# KiCad board pandore.kicad_pcb (continued)
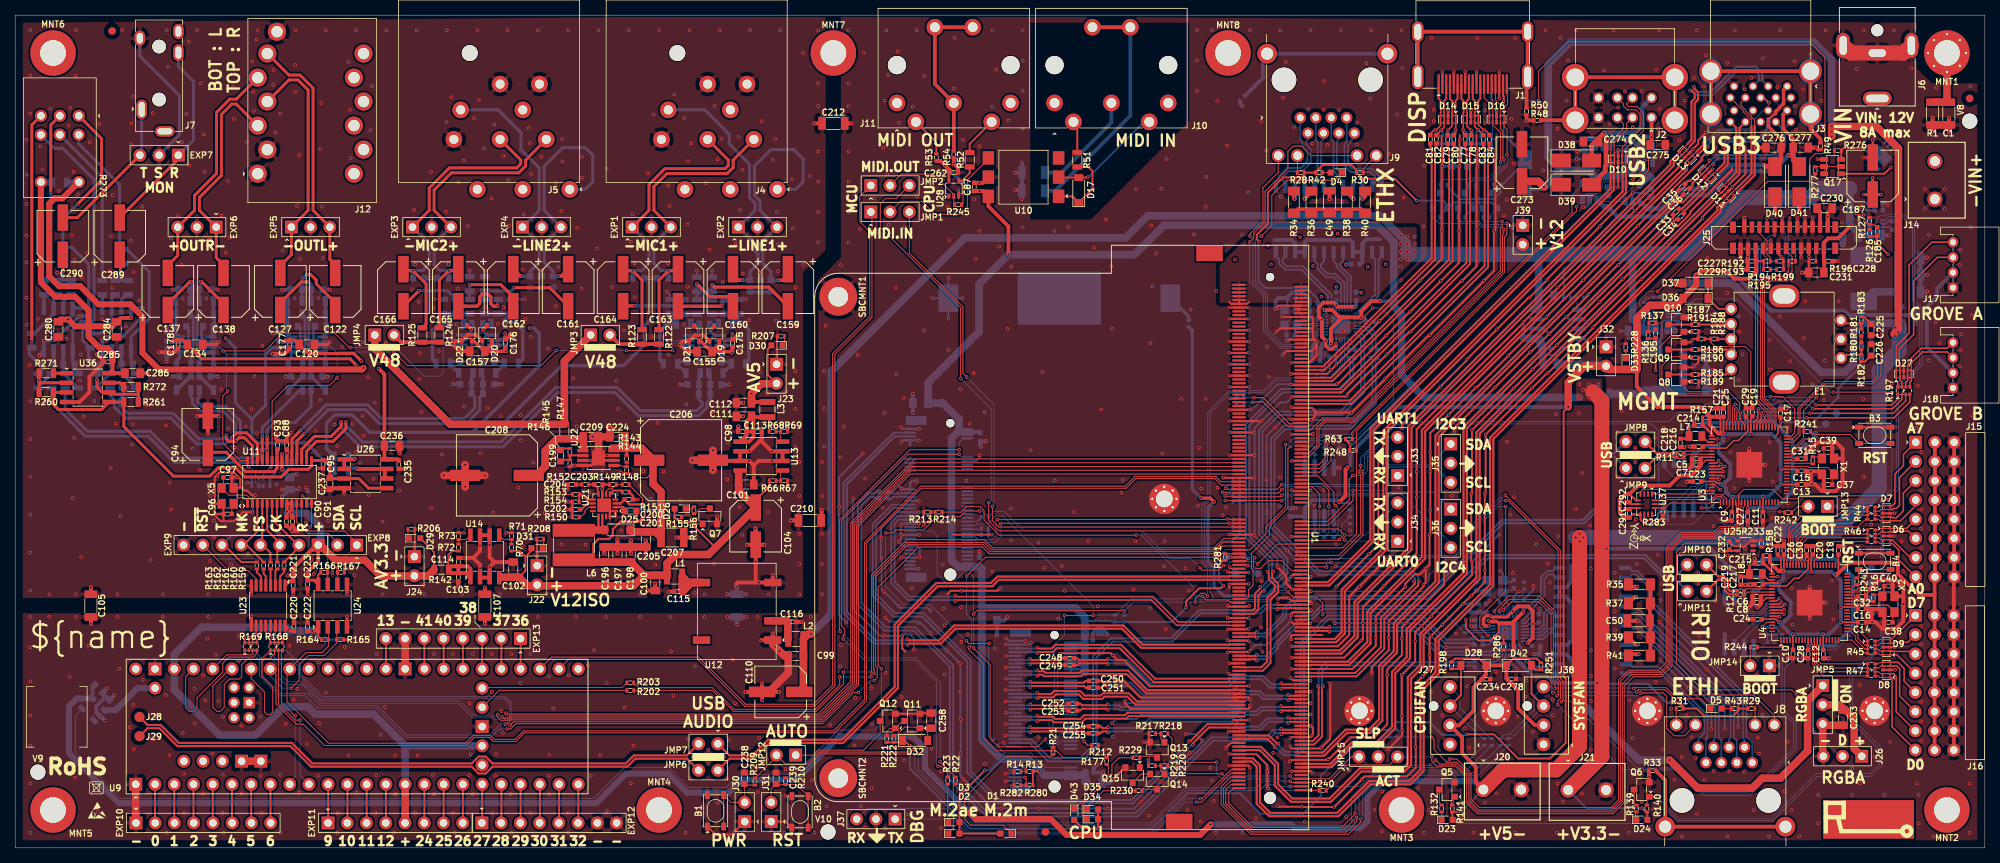
[diagram p0: board, top side]
## Library data of the parts (continued)
R98 R99 R104 R105 = -: Datasheet: https://yageogroup.com/content/datasheet/asset/file/PYU-RT_1-TO-0-01_ROHS_L; Description: Resistor single 2 pad - thin film; Resistance: 40.2Ω; Tolerance: 0.5%; Power: 125mW; MPN: RT0805DRE0740R2L; MFG: YAGEO; Link: https://yageogroup.com/products/Resistors/part/RT0805DRE0740R2L; Type: thin film
R110-R113 = -: Datasheet: https://www.susumu.co.jp/common/pdf/n_catalog_partition05_en.pdf; Description: Resistor single 2 pad - thin film; Resistance: 9.1kΩ; Tolerance: 0.5%; Power: 125mW; MPN: RR1220P-912-D; MFG: Susumu; Type: thin film
R114-R117 = -: Datasheet: https://yageogroup.com/content/datasheet/asset/file/PYU-RT_1-TO-0-01_ROHS_L; Description: Resistor single 2 pad - thin film; Resistance: 47kΩ; Tolerance: 0.5%; Power: 63mW; MPN: RT0805DRE0747KL; MFG: YAGEO; Link: https://yageogroup.com/products/Resistors/part/RT0805DRE0747KL; Type: thin film
R122-R125 = -: Datasheet: https://www.susumu.co.jp/common/pdf/n_catalog_partition05_en.pdf; Description: Resistor single 2 pad - thin film; Resistance: 6.8kΩ; Tolerance: 0.5%; Power: 63mW; MPN: RR1220P-682-D; MFG: Susumu; Type: thin film
R126 = -: Datasheet: https://yageogroup.com/content/datasheet/asset/file/PYU-RC_GROUP_51_ROHS_L; Description: Resistor single 2 pad; Resistance: 158kΩ; Tolerance: 1%; Power: 63mW; MPN: RC0402FR-07158KL; MFG: YAGEO; Link: https://yageogroup.com/products/Resistors/part/RC0402FR-07158KL
R127 R137 = -: Datasheet: https://yageogroup.com/content/datasheet/asset/file/PYU-RC_GROUP_51_ROHS_L; Description: Resistor single 2 pad; Resistance: 30kΩ; Tolerance: 1%; Power: 63mW; MPN: RC0402FR-0730KL; MFG: YAGEO; Link: https://yageogroup.com/products/Resistors/part/RC0402FR-0730KL
R128 = -: Datasheet: https://yageogroup.com/content/datasheet/asset/file/PYU-RC_GROUP_51_ROHS_L; Description: Resistor single 2 pad; Resistance: 68.1kΩ; Tolerance: 1%; Power: 63mW; MPN: RC0402FR-0768K1L; MFG: YAGEO; Link: https://yageogroup.com/products/Resistors/part/RC0402FR-0768K1L
R129 R130 R133 R134 R140 R141 R155 R246 R247 R277 R281 = -: Datasheet: https://www.bourns.com/data/global/pdfs/CR.pdf; Description: Resistor single 2 pad; Resistance: 10kΩ; Tolerance: 1%; Power: 63mW; MPN: CR0402-FX-1002GLF; MFG: Bourns Inc; Link: https://www.bourns.com/search?indexCatalogue=psindex&searchQuery=CR0402-FX-1002GLF*; MPN2: WR04X1002FTL; MFG2: Walsin Technology Corporation; MPN3: RC0402FR-0710KL; MFG3: Yageo
R131 R138 R142 R147 R227 R260 R261 R270 R274 R275 = -: Datasheet: https://yageogroup.com/content/datasheet/asset/file/PYU-RT_1-TO-0-01_ROHS_L; Description: Resistor single 2 pad - thin film; Resistance: 0Ω; Tolerance: 5%; Power: 250mW; MPN: RC0805JR-070RL; MFG: YAGEO; Link: https://yageogroup.com/products/Resistors/part/RT0805DRE0747KL; Type: thin film
R135 = -: Datasheet: https://yageogroup.com/content/datasheet/asset/file/PYU-RC_GROUP_51_ROHS_L; Description: Resistor single 2 pad; Resistance: 100kΩ; Tolerance: 1%; Power: 63mW; MPN: RC0402FR-07100KL; MFG: YAGEO; Link: https://yageogroup.com/products/Resistors/part/RC0402FR-0793K1L
R136 = -: Datasheet: https://yageogroup.com/content/datasheet/asset/file/PYU-RC_GROUP_51_ROHS_L; Description: Resistor single 2 pad; Resistance: 93.1kΩ; Tolerance: 1%; Power: 63mW; MPN: RC0402FR-0793K1L; MFG: YAGEO; Link: https://yageogroup.com/products/Resistors/part/RC0402FR-0793K1L
R145 R152 R211 R221 R285 = -: Datasheet: https://yageogroup.com/content/datasheet/asset/file/PYU-RC_GROUP_51_ROHS_L; Description: Resistor single 2 pad; Link: https://yageogroup.com/products/Resistors/part/RC0402FR-0793K1L; Resistance: 100kΩ; Tolerance: 1%; Power: 63mW; MPN: RC0402FR-07100KL; MFG: YAGEO
R146 R156 = -: Datasheet: https://yageogroup.com/content/datasheet/asset/file/PYU-RC_GROUP_51_ROHS_L; Description: Resistor single 2 pad; Link: https://yageogroup.com/products/Resistors/part/RC0402FR-132K49L; Resistance: 2.49kΩ; Tolerance: 1%; Power: 63mW; MPN: RC0402FR-132K49L; MFG: YAGEO
R148 R153 = -: Datasheet: https://yageogroup.com/content/datasheet/asset/file/PYU-RC_GROUP_51_ROHS_L; Description: Resistor single 2 pad; Link: https://yageogroup.com/products/Resistors/part/RC0402FR-07316KL; Resistance: 316kΩ; Tolerance: 1%; Power: 63mW; MPN: RC0402FR-07316KL; MFG: YAGEO
R149 R154 R276 = -: Datasheet: https://yageogroup.com/content/datasheet/asset/file/PYU-RC_GROUP_51_ROHS_L; Description: Resistor single 2 pad; Link: https://yageogroup.com/products/Resistors/part/RC0402FR-0753K6L; Resistance: 53.6kΩ; Tolerance: 1%; Power: 63mW; MPN: RC0402FR-0753K6L; MFG: YAGEO
R150 = -: Datasheet: https://yageogroup.com/content/datasheet/asset/file/PYU-RC_GROUP_51_ROHS_L; Description: Resistor single 2 pad; Link: https://yageogroup.com/products/Resistors/part/RC0402FR-0737K4L; Resistance: 37.4kΩ; Tolerance: 1%; Power: 63mW; MPN: RC0402FR-0737K4L; MFG: YAGEO
R151 R200 R249 = -: Datasheet: https://yageogroup.com/content/datasheet/asset/file/PYU-RC_GROUP_51_ROHS_L; Description: Resistor single 2 pad; Link: https://yageogroup.com/products/Resistors/part/RC0402FR-0721KL; Resistance: 21kΩ; Tolerance: 1%; Power: 63mW; MPN: RC0402FR-0721KL; MFG: YAGEO
R159-R163 R201 R209 R210 R240 R250 = -: Datasheet: https://yageogroup.com/content/datasheet/asset/file/PYU-RC_GROUP_51_ROHS_L; Description: Resistor single 2 pad; Resistance: 49.9Ω; Tolerance: 1%; Power: 63mW; MPN: RC0402FR-0749R9L; MFG: YAGEO; Link: https://yageogroup.com/products/Resistors/part/RC0402FR-0749R9L
R164-R167 R172-R175 R178 R179 = -: Datasheet: https://yageogroup.com/content/datasheet/asset/file/PYU-RC_GROUP_51_ROHS_L; Description: Resistor single 2 pad; Resistance: 2.2kΩ; Tolerance: 1%; Power: 63mW; MPN: RC0402FR-072K2L; MFG: YAGEO; Link: https://yageogroup.com/products/Resistors/part/RC0402FR-072K2L
R168-R171 = -: Datasheet: https://yageogroup.com/content/datasheet/asset/file/PYU-YC_TC_GROUP_51_ROHS_L; Description: Resistor quad 8 pad; Resistance: 0Ω; Tolerance: 5%; Power: 63mW; MPN: YC124-JR-070RL; MFG: Yageo; Link: https://yageogroup.com/products/Resistors/part/YC124-JR-070RL
R185-R187 R206 R228 = -: Datasheet: https://yageogroup.com/content/datasheet/asset/file/PYU-RC_GROUP_51_ROHS_L; Description: Resistor single 2 pad; Link: https://yageogroup.com/products/Resistors/part/RC0402FR-07560RL; Resistance: 560Ω; Tolerance: 1%; Power: 63mW; MPN: RC0402FR-07560RL; MFG: YAGEO
R196 = -: Datasheet: https://yageogroup.com/content/datasheet/asset/file/PYU-RC_GROUP_51_ROHS_L; Description: Resistor single 2 pad; Resistance: 910kΩ; Tolerance: 1%; Power: 63mW; MPN: RC0402FR-07910KL; MFG: YAGEO; Link: https://yageogroup.com/products/Resistors/part/RC0402FR-07910KL
R198 R251 = -: Datasheet: https://yageogroup.com/content/datasheet/asset/file/PYU-RC_GROUP_51_ROHS_L; Description: Resistor single 2 pad; Link: https://yageogroup.com/products/Resistors/part/RC0402FR-074K7L; Resistance: 4.7kΩ; Tolerance: 1%; Power: 63mW; MPN: RC0402FR-074K7L; MFG: YAGEO
R222 = -: Datasheet: https://yageogroup.com/content/datasheet/asset/file/PYU-RC_GROUP_51_ROHS_L; Description: Resistor single 2 pad; Link: https://yageogroup.com/products/Resistors/part/RC0402FR-071ML; Resistance: 1MΩ; Tolerance: 1%; Power: 63mW; MPN: RC0402FR-071ML; MFG: YAGEO
R254-R257 = -: Datasheet: https://www.susumu.co.jp/common/pdf/n_catalog_partition05_en.pdf; Description: Resistor single 2 pad - thin film; Resistance: 10kΩ; Tolerance: 0.5%; Power: 63mW; MPN: RR1220P-103-D; MFG: Susumu; Type: thin film
R273 = -: Datasheet: https://www.bourns.com/docs/product-datasheets/PTR90.pdf; Description: Variable resistor; MPN: PTR902-2015K-B103; MFG: Bourns Inc.; Link: https://www.bourns.com/products/proaudio/products; Resistance: 10kΩ; ki_fp_filters: reekilib_pot:bourns_PTR902
SBCMNT1 = -: Description: mount connected to chassis
T1 T2 = -: Datasheet: https://www.we-online.com/components/products/datasheet/749020111A.pdf; Description: Inductor; MPN: 749020111A; MFG: Würth Elektronik; ki_fp_filters: reekilib_trf:WE_749020111A reekilib_trf:bel_s558-5500-68
TP1 TP2 = -: Datasheet: -; Description: testpoint; Link: -; Config: +TP; Sim.Enable: 0; MPN: -; MFG: -; ki_fp_filters: tp_*
TP3-TP8 TP10-TP13 = -: Datasheet: -; Description: testpoint; Link: -; Config: +TP; MPN: -; MFG: -; ki_fp_filters: tp_*
U1 = -: Description: A micro computing module with x86 processer, RAM and eMMC.; MFG: TE Connectivity; MPN: 2309411-1; ki_fp_filters: *LattePanda*
U2 U5 U6 = -: Datasheet: https://www.winbond.com/resource-files/w25q128jv_dtr%20revc%2003272018%20plus.pdf; Description: flash memory with std JESD216 pinout; Link: https://www.winbond.com/hq/product/code-storage-flash-memory/serial-nor-flash/?__locale=en&partNo=W25Q128JV; MPN: W25Q128JVSIM TR; MFG: Winbond; ki_fp_filters: reekilib_soic:SOIC127PxxxX200-8 reekilib_dfn:DFN80P400X400X80-9 reekilib_soic:SOIC127P600X150-8 reekilib_soic:SOIC127P788X200-8 reekilib_son:SON127P800X600X60-9
U3 U4 = -: Datasheet: https://pip-assets.raspberrypi.com/categories/1214-rp2350/documents/RP-008373-DS-2-rp2350-datasheet.pdf?disposition=inline; Description: Dual Cortex-M33 or RISC-V 150MHz; MPN: RP2350B-TR13; MFG: Raspberry Pi; Link: https://www.raspberrypi.com/products/rp2350/; MPN2: RP2350B-TR7; MFG2: Raspberry Pi; Link2: https://www.raspberrypi.com/products/rp2350/
U7 U8 = -: Datasheet: https://www.lcsc.com/datasheet/C2761340.pdf; Description: GETH PHYtoPCIE transceiver & controller; MPN: RTL8111H-CG; MFG: Realtek; Link: https://www.realtek.com/Product/Index?id=3959
U9 = -: Datasheet: https://www.pjrc.com/store/teensy41.html; Description: RT1060 based rapid dev platform; MPN: DEV-16771; MFG: PJRC; Link: https://www.pjrc.com/store/teensy41.html; ki_fp_filters: reekilib_som:teensy_4.1*
U10 = -: Datasheet: https://isocom.com/wp-content/uploads/2017/09/DD93224-H11L1_H11L1V-110817.pdf; Description: Opto isolator with digital push-pull output; MPN: H11L1SMT&R; MFG: Isocom Components 2004 LTD; Link: https://isocom.com/h11l1-schmitt-trigger-6-pin-single/; ki_fp_filters: reekilib_soic:SOIC254P1030X430-6
U11 = -: Datasheet: https://statics.cirrus.com/pubs/proDatasheet/CS4272_F2.pdf; Description: I2S Stereo CODEC 24bit 192KHz; MPN: CS4272K-CZZR; MFG: Cirrus Logic Inc.; Link: https://www.cirrus.com/products/cs4272; bit: 24b; sr: 192K; config: 2x2; ki_fp_filters: reekilib_sop:SOP65P640X970-28
U12 = -: Datasheet: https://pim.murata.com/asset/pim4/isolatedDCDCconverter/KDC_NXE2_PDF_ISOLATEDDCDCCONVERTER; MPN: NXE2S1212MC-R7; MFG: Murata Power Solutions Inc.; Link: https://pim.murata.com/en-eu/pim/details/?partNum=NXE2S1212MC; Vo: 12V; Io: 0.167A; Vimin: 10.8V; Vimax: 13.2V; ki_fp_filters: reekilib_som:murata_nxe2
U13 = -: Datasheet: https://www.st.com/resource/en/datasheet/ldl212.pdf; Description: High PSRR LDO regulator; MFG: STMicroelectronics; Link: -; Vo: 5V; Io: 0.2A; ki_fp_filters: reekilib_soic:SOIC127P600X150-8
U14 U27 = -: Datasheet: https://www.st.com/resource/en/datasheet/ldl212.pdf; Description: High PSRR LDO regulator; MFG: STMicroelectronics; Link: -; Vo: 3.3; Io: 0.1A; ki_fp_filters: reekilib_soic:SOIC127P600X150-8
U15-U18 = -: Datasheet: https://www.ti.com/lit/gpn/ths4521; Description: dual generic opamp; MPN: THS4521IDGKR; MFG: TI; Link: https://www.ti.com/product/THS4521; ki_fp_filters: reekilib_sop:SOP65P490X300-8
U19 U20 = -: Datasheet: https://www.diodes.com/datasheet/download/AP63356Q+AP63357Q.pdf; Description: Switching regulator buck, 3.5A, 3.8-32Vin; MPN: AP63356Q; MFG: Diodes Incorporated; Link: https://www.diodes.com/part/view/AP63356Q; MPN2: AP63357Q; MFG2: Diodes Incorporated; Link2: https://www.diodes.com/part/view/AP63357Q; MPN3: AP63356; MFG3: Diodes Incorporated; Link3: https://www.diodes.com/part/view/AP63356; ki_fp_filters: reekilib_dfn:DFN300X200X90-9
U21 = -: Datasheet: https://www.ti.com/lit/ds/symlink/lm5158.pdf; Description: TI switching boost converter high voltage; MPN: LM5158RTER; MFG: TI; Link: https://www.ti.com/product/LM5158; ki_fp_filters: reekilib_qfn:QFN50P300X300-17
U22 = -: Datasheet: https://www.ti.com/lit/gpn/tps7a4001; Description: High-voltage LDO regulator; MPN: TPS7A4001DGNR; MFG: TI; Link: https://www.ti.com/product/TPS7A4001; Vout: 48V; Iout: 10mA; ki_fp_filters: reekilib_sop:SOP65P490X300-9
U23 = -: Datasheet: https://www.ti.com/lit/gpn/iso7762; Description: signal isolator hex unidirectional 4:2; MPN: ISO7762FDBQR; MFG: TI; Link: https://www.ti.com/product/ISO7762; ki_fp_filters: reekilib_sop:SOP635P600X490-16 reekilib_soic:SOIC127P1030X265-16
U24 = -: Datasheet: https://www.ti.com/lit/gpn/iso1640; Description: signal isolator dual bidirectional 2:2 open-drain for I2C; MPN: ISO1640BDR; MFG: TI; Link: https://www.ti.com/product/ISO1640; ki_fp_filters: reekilib_soic:SOIC127P600X150-8
U25 U28 = -: Datasheet: https://assets.nexperia.com/documents/data-sheet/74LVC1G17.pdf; Description: logic buffer schmitt-trigger; MPN: 74LVC1G17GV,125; MFG: Nexperia USA Inc.; Link: https://www.nexperia.com/product/74LVC1G17GV; ki_fp_filters: reekilib_sot:SOT65P210X90-5 reekilib_sot:SOT95P280X100-5
U26 U34-U36 = -: Datasheet: https://www.ti.com/lit/ds/symlink/opa1656.pdf; Description: dual generic opamp; MPN: OPA1656IDR; MFG: TI; Link: https://www.ti.com/product/OPA1656; ki_fp_filters: reekilib_dip:DIP127P762X508-8 reekilib_soic:SOIC127P600X150-8 reekilib_sop:SOP65P640X300-8 reekilib_sop:SOP65P490X300-8 reekilib_sop:SOP50P310X200-8 reekilib_sot:SOT65P280X100-8 reekilib_dfn:DFN50P200X200X55-9
U29-U33 = -: Datasheet: https://www.etekmicro.com/wp-content/uploads/2025/09/ET20162.pdf; Description: load switch for VUSB 1A; MPN: ET20162; MFG: ETEK MICROELECTRONICS; Link: https://www.etekmicro.com/products/power-protection/protection-ics/current-limit-switch/et20162/; ki_fp_filters: reekilib_sot:SOT95P280X100-5
U37 = -: Datasheet: https://www.bosch-sensortec.com/media/boschsensortec/downloads/datasheets/bst-bmi270-ds000.pdf; Description: bosch imu 6dof gyro acc i2c spi; Link: https://www.bosch-sensortec.com/products/motion-sensors/imus/bmi270/
V1 V3-V7 = -: Datasheet: -; Description: Non-physical component; MPN: -; MFG: -; Link: -
V2 V8-V12 = -: Datasheet: -; Description: Non-physical component; Link: -; MPN: -; MFG: -
X1 X2 = -: Datasheet: https://abracon.com/datasheets/ABM8-272-T3.pdf; Description: Crystal with shield; F: 12MHz; tol: 30ppm; stab: 30ppm; load: 10pF; MPN: ABM8-272-T3; MFG: Abracon LLC; Link: https://abracon.com/search?q=ABM8-272-T3; ki_fp_filters: reekilib_osc:OSCCC*
X3 X4 = -: Datasheet: https://abracon.com/Resonators/ABM8G.pdf; Description: Crystal with shield; F: 25MHz; tol: 30ppm; stab: 30ppm; load: 10pF; MPN: ABM8G-25.000MHZ-B4Y-T; MFG: Abracon LLC; ki_fp_filters: reekilib_osc:OSCCC*
X5 = -: Datasheet: https://mm.digikey.com/Volume0/opasdata/d220001/medias/docus/6536/ABM8_Datasheet.pdf; Description: Crystal with shield; F: 24.576MHz; tol: 50ppm; stab: 20ppm; load: 18pF; MPN: ABM8-24.576MHZ-B2-T; MFG: Abracon LLC; ki_fp_filters: reekilib_osc:OSCCC*

## Footprints (pads in the part's own frame, mm; a bottom-side part is the same pattern mirrored in y, then rotated)
amphenol_RJE58-188-54x1-0x
  round 3.25 hole 3.25 unplated: (-5.715,5) (5.715,5)
  round 1.5 hole 0.9: 1(-3.56,0) 2(-2.54,-2.03) 3(-1.52,0) 4(-0.5,-2.03) 5(0.52,0) 6(1.54,-2.03) 7(2.56,0) 8(3.58,-2.03)
  round 1.7 hole 1.12: AL(6.471,-5) AR(-3.931,-5) CL(3.931,-5) CR(-6.471,-5)
  round 2.6 hole 1.6: SH(-7.94,8.46) SH(7.94,8.46)
bourns_PEL12T-4xxxx-S
  rrect 3x4 hole 2x3: (-5.7,0) (5.7,0)
  round 1.6 hole 1: 1(-4,7) 2(-2,7) 3(0,7) 4(2,7) 5(4,7) A(-2.5,-7.5) B(2.5,-7.5) C(0,-7.5)
bourns_PTR902
  round 1.6 hole 1: 1(-2.5,-2.5) 2(0,-2.5) 3(2.5,-2.5) 4(-2.5,0) 5(0,0) 6(2.5,0) 7(-2.5,6.25) 8(2.5,6.25)
CAPAE630Xxxx
  rrect 1.2x1.2 smd: (-3.55,0) (3.55,0)
  rrect 1.5x1.2 smd: (-1.525,0) (1.525,0)
  rrect 3.5x1.4 smd: 1(-2.45,0) 2(2.45,0)
CAPAE1000Xxxx
  rrect 1x1.4 smd: (-5.65,0) (-4.2,0) (-2.775,0) (2.775,0) (4.2,0) (5.65,0)
  rrect 4x1.5 smd: 1(-4.2,0) 2(4.2,0)
CAPC1005
  rrect 0.6x0.6 smd: 1(-0.55,0) 2(0.55,0)
CAPC1608
  rrect 0.8x0.9 smd: 1(-0.75,0) 2(0.75,0)
CAPC2012
  rrect 1x1.3 smd: 1(-1,0) 2(1,0)
CAPC3216
  rrect 1x1.7 smd: 1(-1.5,0) 2(1.5,0)
CAPC3225
  rrect 1x1 smd: (-1.5,0.75) (-1.5,-0.75) (1.5,0.75) (1.5,-0.75)
  rrect 1x2.6 smd: 1(-1.5,0) 2(1.5,0)
DFN50P100X250X55-10_ESD204
  rrect 0.565x0.2 smd: 1(-0.417,1) 1(0.417,1) 2(-0.417,0.5) 2(0.417,0.5) 4(-0.417,-0.5) 4(0.417,-0.5) 5(-0.417,-1) 5(0.417,-1)
  rrect 0.565x0.4 smd: 3(-0.417,0) 3(0.417,0)
DFN65P300X300X100-9
  rrect 0.6x1 smd: (-0.5,-0.7) (-0.5,0.7) (0.5,-0.7) (0.5,0.7)
  rrect 0.6x0.3 smd: 1(-1.55,0.975) 2(-1.55,0.325) 3(-1.55,-0.325) 4(-1.55,-0.975) 5(1.55,-0.975) 6(1.55,-0.325) 7(1.55,0.325) 8(1.55,0.975)
  rrect 1.6x2.4 smd: 9(0,0)
DFN300X200X90-9
  rrect 0.8x1.45 smd: 1(-0.75,0.688) 8(0.75,0.688)
  rrect 0.6x0.3 smd: 2(-0.85,-0.362) 3(-0.85,-0.812) 4(-0.85,-1.262) 5(0.85,-1.262) 6(0.85,-0.812) 7(0.85,-0.362)
  rrect 0.3x1.725 smd: 9(0,0.825)
dio_sma
  rrect 2.5x1.8 smd: 1(-1.999,0) 2(1.999,0)
Eaton_HPAL1V0630
  rrect 0.9x1.5 smd: (-3.75,-1) (-3.75,1) (-2.3,-1) (-2.3,1) (2.3,-1) (2.3,1) (3.75,-1) (3.75,1)
  rrect 2.35x3.5 smd: 1(-3.025,0) 2(3.025,0)
FUSER1608
  rrect 0.5x0.9 smd: 1(-0.75,0) 2(0.75,0)
gct_FFC2A32-24-T
  rrect 1.5x0.8 smd: (-1.4,6.75) (-1.4,-6.75) (1.4,6.75) (1.4,-6.75)
  rrect 1.5x0.6 smd: 1(-1.4,5.75) 2(1.4,5.25) 3(-1.4,4.75) 4(1.4,4.25) 5(-1.4,3.75) 6(1.4,3.25) 7(-1.4,2.75) 8(1.4,2.25) 9(-1.4,1.75) 10(1.4,1.25) 11(-1.4,0.75) 12(1.4,0.25) 13(-1.4,-0.25) 14(1.4,-0.75) 15(-1.4,-1.25) 16(1.4,-1.75) 17(-1.4,-2.25) 18(1.4,-2.75) 19(-1.4,-3.25) 20(1.4,-3.75) 21(-1.4,-4.25) 22(1.4,-4.75) 23(-1.4,-5.25) 24(1.4,-5.75)
HDR254P1X02-TH
  rrect 1.7x1.7 hole 1: 1(0,1.28)
  oval 1.7x1.7 hole 1: 2(0,-1.26)
HDR254P1X02-TH#2
  round 1.7 hole 1: 1(0,1.28)
  oval 1.7x1.7 hole 1: 2(0,-1.26)
HDR254P1X03-TH
  rrect 1.7x1.7 hole 1: 1(0,2.55)
  oval 1.7x1.7 hole 1: 2(0,0.01) 3(0,-2.53)
HDR254P1X03-TH#2
  round 1.7 hole 1: 1(0,2.55)
  oval 1.7x1.7 hole 1: 2(0,0.01) 3(0,-2.53)
HDR254P1X08-TH
  rrect 1.7x1.7 hole 1: 1(0,8.88)
  round 1.7 hole 1: 2(0,6.34) 3(0,3.8) 4(0,1.26) 5(0,-1.28) 6(0,-3.82) 7(0,-6.36) 8(0,-8.9)
HDR254P3X8-THRA
  rrect 1.7x1.7 hole 1: 1(-2.54,8.89)
  round 1.7 hole 1: 2(0,8.89) 3(2.54,8.89) 4(-2.54,6.35) 5(0,6.35) 6(2.54,6.35) 7(-2.54,3.81) 8(0,3.81) 9(2.54,3.81) 10(-2.54,1.27) 11(0,1.27) 12(2.54,1.27) 13(-2.54,-1.27) 14(0,-1.27) 15(2.54,-1.27) 16(-2.54,-3.81) 17(0,-3.81) 18(2.54,-3.81) 19(-2.54,-6.35) 20(0,-6.35) 21(2.54,-6.35) 22(-2.54,-8.89) 23(0,-8.89) 24(2.54,-8.89)
INDC2012
  rrect 0.9x1.3 smd: 1(-0.85,0) 2(0.85,0)
INDC2520
  rrect 0.8x0.75 smd: (-1,0.6) (-1,-0.6) (1,0.6) (1,-0.6)
  rrect 0.8x2.1 smd: 1(-1,0) 2(1,0)
keystone_1060
  rrect 2.6x1.5 smd: (-14.65,-1.05) (-14.65,1.05) (14.65,-1.05) (14.65,1.05)
  rrect 11x7 smd: (0,0)
  rrect 2.6x3.6 smd: 1(-14.65,0) 2(14.65,0)
LattePanda_Module_H8.0mm_Horizontal
  round 1.1 hole 1.1 unplated: (-34.4,0)
  round 1.6 hole 1.6 unplated: (34.4,0)
  rect 0.3x1.75 smd: 1(33.375,4.1) 2(33.125,-4.1) 3(32.875,4.1) 4(32.625,-4.1) 5(32.375,4.1) 6(32.125,-4.1) 7(31.875,4.1) 8(31.625,-4.1) 9(31.375,4.1) 10(31.125,-4.1) 11(30.875,4.1) 12(30.625,-4.1) 13(30.375,4.1) 14(30.125,-4.1) 15(29.875,4.1) 16(29.625,-4.1) 17(29.375,4.1) 18(29.125,-4.1) 19(28.875,4.1) 20(28.625,-4.1) 21(28.375,4.1) 22(28.125,-4.1) 23(27.875,4.1) 24(27.625,-4.1) 25(27.375,4.1) 26(27.125,-4.1) 27(26.875,4.1) 28(26.625,-4.1) 29(26.375,4.1) 30(26.125,-4.1) 31(25.875,4.1) 32(25.625,-4.1) 33(25.375,4.1) 34(25.125,-4.1) 35(24.875,4.1) 36(24.625,-4.1) 37(24.375,4.1) 38(24.125,-4.1) 39(23.875,4.1) 40(23.625,-4.1) 41(23.375,4.1) 42(23.125,-4.1) 43(22.875,4.1) 44(22.625,-4.1) 45(22.375,4.1) 46(22.125,-4.1) 47(21.875,4.1) 48(21.625,-4.1) 49(21.375,4.1) 50(21.125,-4.1) 51(20.875,4.1) 52(20.625,-4.1) 53(20.375,4.1) 54(20.125,-4.1) 55(19.875,4.1) 56(19.625,-4.1) 57(19.375,4.1) 58(19.125,-4.1) 59(18.875,4.1) 60(18.625,-4.1) 61(18.375,4.1) 62(18.125,-4.1) 63(17.875,4.1) 64(17.625,-4.1) 65(17.375,4.1) 66(17.125,-4.1) 67(16.875,4.1) 68(16.625,-4.1) 69(16.375,4.1) 70(16.125,-4.1) 71(15.875,4.1) 72(15.625,-4.1) 73(15.375,4.1) 74(15.125,-4.1) 75(14.875,4.1) 76(14.625,-4.1) 77(14.375,4.1) 78(14.125,-4.1) 79(13.875,4.1) 80(13.625,-4.1) 81(13.375,4.1) 82(13.125,-4.1) 83(12.875,4.1) 84(12.625,-4.1) 85(12.375,4.1) 86(12.125,-4.1) 87(11.875,4.1) 88(11.625,-4.1) 89(11.375,4.1) 90(11.125,-4.1) 91(10.875,4.1) 92(10.625,-4.1) 93(10.375,4.1) 94(10.125,-4.1) 95(9.875,4.1) 96(9.625,-4.1) 97(9.375,4.1) 98(9.125,-4.1) 99(8.875,4.1) 100(8.625,-4.1) 101(8.375,4.1) 102(8.125,-4.1) 103(7.875,4.1) 104(7.625,-4.1) 105(7.375,4.1) 106(7.125,-4.1) 107(6.875,4.1) 108(6.625,-4.1) 109(6.375,4.1) 110(6.125,-4.1) 111(5.875,4.1) 112(5.625,-4.1) 113(5.375,4.1) 114(5.125,-4.1) 115(4.875,4.1) 116(4.625,-4.1) 117(4.375,4.1) 118(4.125,-4.1) 119(3.875,4.1) 120(3.625,-4.1) 121(3.375,4.1) 122(3.125,-4.1) 123(2.875,4.1) 124(2.625,-4.1) 125(2.375,4.1) 126(2.125,-4.1) 127(1.875,4.1) 128(1.625,-4.1) 129(1.375,4.1) 130(1.125,-4.1) 131(0.875,4.1) 132(0.625,-4.1) 133(0.375,4.1) 134(0.125,-4.1) 135(-0.125,4.1) 136(-0.375,-4.1) 137(-0.625,4.1) 138(-0.875,-4.1) 139(-1.125,4.1) 140(-1.375,-4.1) 141(-1.625,4.1) 142(-1.875,-4.1) 143(-2.125,4.1) 144(-2.375,-4.1) 145(-4.625,4.1) 146(-4.875,-4.1) 147(-5.125,4.1) 148(-5.375,-4.1) 149(-5.625,4.1) 150(-5.875,-4.1) 151(-6.125,4.1) 152(-6.375,-4.1) 153(-6.625,4.1) 154(-6.875,-4.1) 155(-7.125,4.1) 156(-7.375,-4.1) 157(-7.625,4.1) 158(-7.875,-4.1) 159(-8.125,4.1) 160(-8.375,-4.1) 161(-8.625,4.1) 162(-8.875,-4.1) 163(-9.125,4.1) 164(-9.375,-4.1) 165(-9.625,4.1) 166(-9.875,-4.1) 167(-10.125,4.1) 168(-10.375,-4.1) 169(-10.625,4.1) 170(-10.875,-4.1) 171(-11.125,4.1) 172(-11.375,-4.1) 173(-11.625,4.1) 174(-11.875,-4.1) 175(-12.125,4.1) 176(-12.375,-4.1) 177(-12.625,4.1) 178(-12.875,-4.1) 179(-13.125,4.1) 180(-13.375,-4.1) 181(-13.625,4.1) 182(-13.875,-4.1) 183(-14.125,4.1) 184(-14.375,-4.1) 185(-14.625,4.1) 186(-14.875,-4.1) 187(-15.125,4.1) 188(-15.375,-4.1) 189(-15.625,4.1) 190(-15.875,-4.1) 191(-16.125,4.1) 192(-16.375,-4.1) 193(-16.625,4.1) 194(-16.875,-4.1) 195(-17.125,4.1) 196(-17.375,-4.1) 197(-17.625,4.1) 198(-17.875,-4.1) 199(-18.125,4.1) 200(-18.375,-4.1) 201(-18.625,4.1) 202(-18.875,-4.1) 203(-19.125,4.1) 204(-19.375,-4.1) 205(-19.625,4.1) 206(-19.875,-4.1) 207(-20.125,4.1) 208(-20.375,-4.1) 209(-20.625,4.1) 210(-20.875,-4.1) 211(-21.125,4.1) 212(-21.375,-4.1) 213(-21.625,4.1) 214(-21.875,-4.1) 215(-22.125,4.1) 216(-22.375,-4.1) 217(-22.625,4.1) 218(-22.875,-4.1) 219(-23.125,4.1) 220(-23.375,-4.1) 221(-23.625,4.1) 222(-23.875,-4.1) 223(-24.125,4.1) 224(-24.375,-4.1) 225(-24.625,4.1) 226(-24.875,-4.1) 227(-25.125,4.1) 228(-25.375,-4.1) 229(-25.625,4.1) 230(-25.875,-4.1) 231(-26.125,4.1) 232(-26.375,-4.1) 233(-26.625,4.1) 234(-26.875,-4.1) 235(-27.125,4.1) 236(-27.375,-4.1) 237(-27.625,4.1) 238(-27.875,-4.1) 239(-28.125,4.1) 240(-28.375,-4.1) 241(-28.625,4.1) 242(-28.875,-4.1) 243(-29.125,4.1) 244(-29.375,-4.1) 245(-29.625,4.1) 246(-29.875,-4.1) 247(-30.125,4.1) 248(-30.375,-4.1) 249(-30.625,4.1) 250(-30.875,-4.1) 251(-31.125,4.1) 252(-31.375,-4.1) 253(-31.625,4.1) 254(-31.875,-4.1) 255(-32.125,4.1) 256(-32.375,-4.1) 257(-32.625,4.1) 258(-32.875,-4.1) 259(-33.125,4.1) 260(-33.375,-4.1)
  rect 2x3.5 smd: MP(-37.5,-8) MP(37.5,-12)
LEDM1608X80
  rrect 0.8x0.8 smd: A(0.75,0) C(-0.725,0)
mechole_2.0mm
  round 2 hole 2 unplated: (0,0)
mnt_M2_ele
  round 0.6 hole 0.3: 1(-1.6,0) 1(-1.1,-1.1) 1(-1.1,1.1) 1(0,-1.6) 1(0,1.6) 1(1.1,-1.1) 1(1.1,1.1) 1(1.6,0)
  round 4 hole 2.2: 1(0,0)
mnt_M3
  round 6 hole 3.4 unplated: (0,0)
mnt_M3_ele
  round 0.6 hole 0.3: 1(-2.5,0) 1(-1.7,1.7) 1(-1.7,-1.7) 1(0,2.5) 1(0,-2.5) 1(1.7,1.7) 1(1.7,-1.7) 1(2.5,0)
  round 6 hole 3.4: 1(0,0)
molex_0470531000
  round 1.25 hole 1.25 unplated: (-1.27,-2.16)
  round 1.8 hole 1.02: 1(3.81,0) 2(1.27,0) 3(-1.27,0) 4(-3.81,0)
murata_nxe2
  rrect 2.3x1 smd: 1(-4.7,3.9) 3(-4.7,1.35) 7(-4.7,-3.7) 8(4.7,-3.7) 14(4.7,3.9)
neutrik_ncj9fi-h-0
  round 2.1 hole 2.1 unplated: (4,-11.4)
  round 2.2 hole 1.2: 1(6.1,0) 2(-6.1,0) 3(0,0) G(0,-7.3) R(5.2,-3.9) RS(3,6.6) S(-5.2,-7.3) SS(-3,-3.9) T(-9.2,6.6) TS(-3,6.6)
neutrik_nsj12hf-1
  round 2.4 hole 1.5: G(10.42,5.96) RB(1.2,7.23) RSB(1.2,-5.47) RST(-1.98,-4.2) RT(-1.98,8.5) SB(7.54,7.23) SSB(7.54,-5.47) SST(4.35,-4.2) ST(4.35,8.5) TB(-5.15,7.23) TSB(-5.15,-5.47) TST(-8.33,-4.2) TT(-8.33,8.5)
NGFF_M.2_CONN
  rrect 1.2x1 smd: (-10.35,2.1) (-10.35,3.85) (10.35,2.1) (10.35,3.85)
  rrect 1.2x2.75 smd: (-10.35,2.975) (10.35,2.975)
  round 1.1 hole 1.1 unplated: (-10,-1.525)
  round 1.6 hole 1.6 unplated: (10,-1.525)
  rrect 0.3x1.55 smd: 1(-9.25,3.775) 2(-9,-3.775) 3(-8.75,3.775) 4(-8.5,-3.775) 5(-8.25,3.775) 6(-8,-3.775) 7(-7.75,3.775) 16(-5.5,-3.775) 17(-5.25,3.775) 18(-5,-3.775) 19(-4.75,3.775) 20(-4.5,-3.775) 21(-4.25,3.775) 22(-4,-3.775) 23(-3.75,3.775) 32(-1.5,-3.775) 33(-1.25,3.775) 34(-1,-3.775) 35(-0.75,3.775) 36(-0.5,-3.775) 37(-0.25,3.775) 38(0,-3.775) 39(0.25,3.775) 40(0.5,-3.775) 41(0.75,3.775) 42(1,-3.775) 43(1.25,3.775) 44(1.5,-3.775) 45(1.75,3.775) 46(2,-3.775) 47(2.25,3.775) 48(2.5,-3.775) 49(2.75,3.775) 50(3,-3.775) 51(3.25,3.775) 52(3.5,-3.775) 53(3.75,3.775) 54(4,-3.775) 55(4.25,3.775) 56(4.5,-3.775) 57(4.75,3.775) 58(5,-3.775) 59(5.25,3.775) 60(5.5,-3.775) 61(5.75,3.775) 62(6,-3.775) 63(6.25,3.775) 64(6.5,-3.775) 65(6.75,3.775) 66(7,-3.775) 67(7.25,3.775) 68(7.5,-3.775) 69(7.75,3.775) 70(8,-3.775) 71(8.25,3.775) 72(8.5,-3.775) 73(8.75,3.775) 74(9,-3.775) 75(9.25,3.775)
